# Altium PCB PCB_Project_Dangrangto.PcbDoc (part 1 of 2)
Units mm, origin at the board's own origin, x right, y up, seen from the top; angles counter-clockwise.
Board outline 121.2 x 86.2 mm, 2 copper layers (Top Layer, Bottom Layer); 163 components, 138 nets, 586 pads, 159 vias.
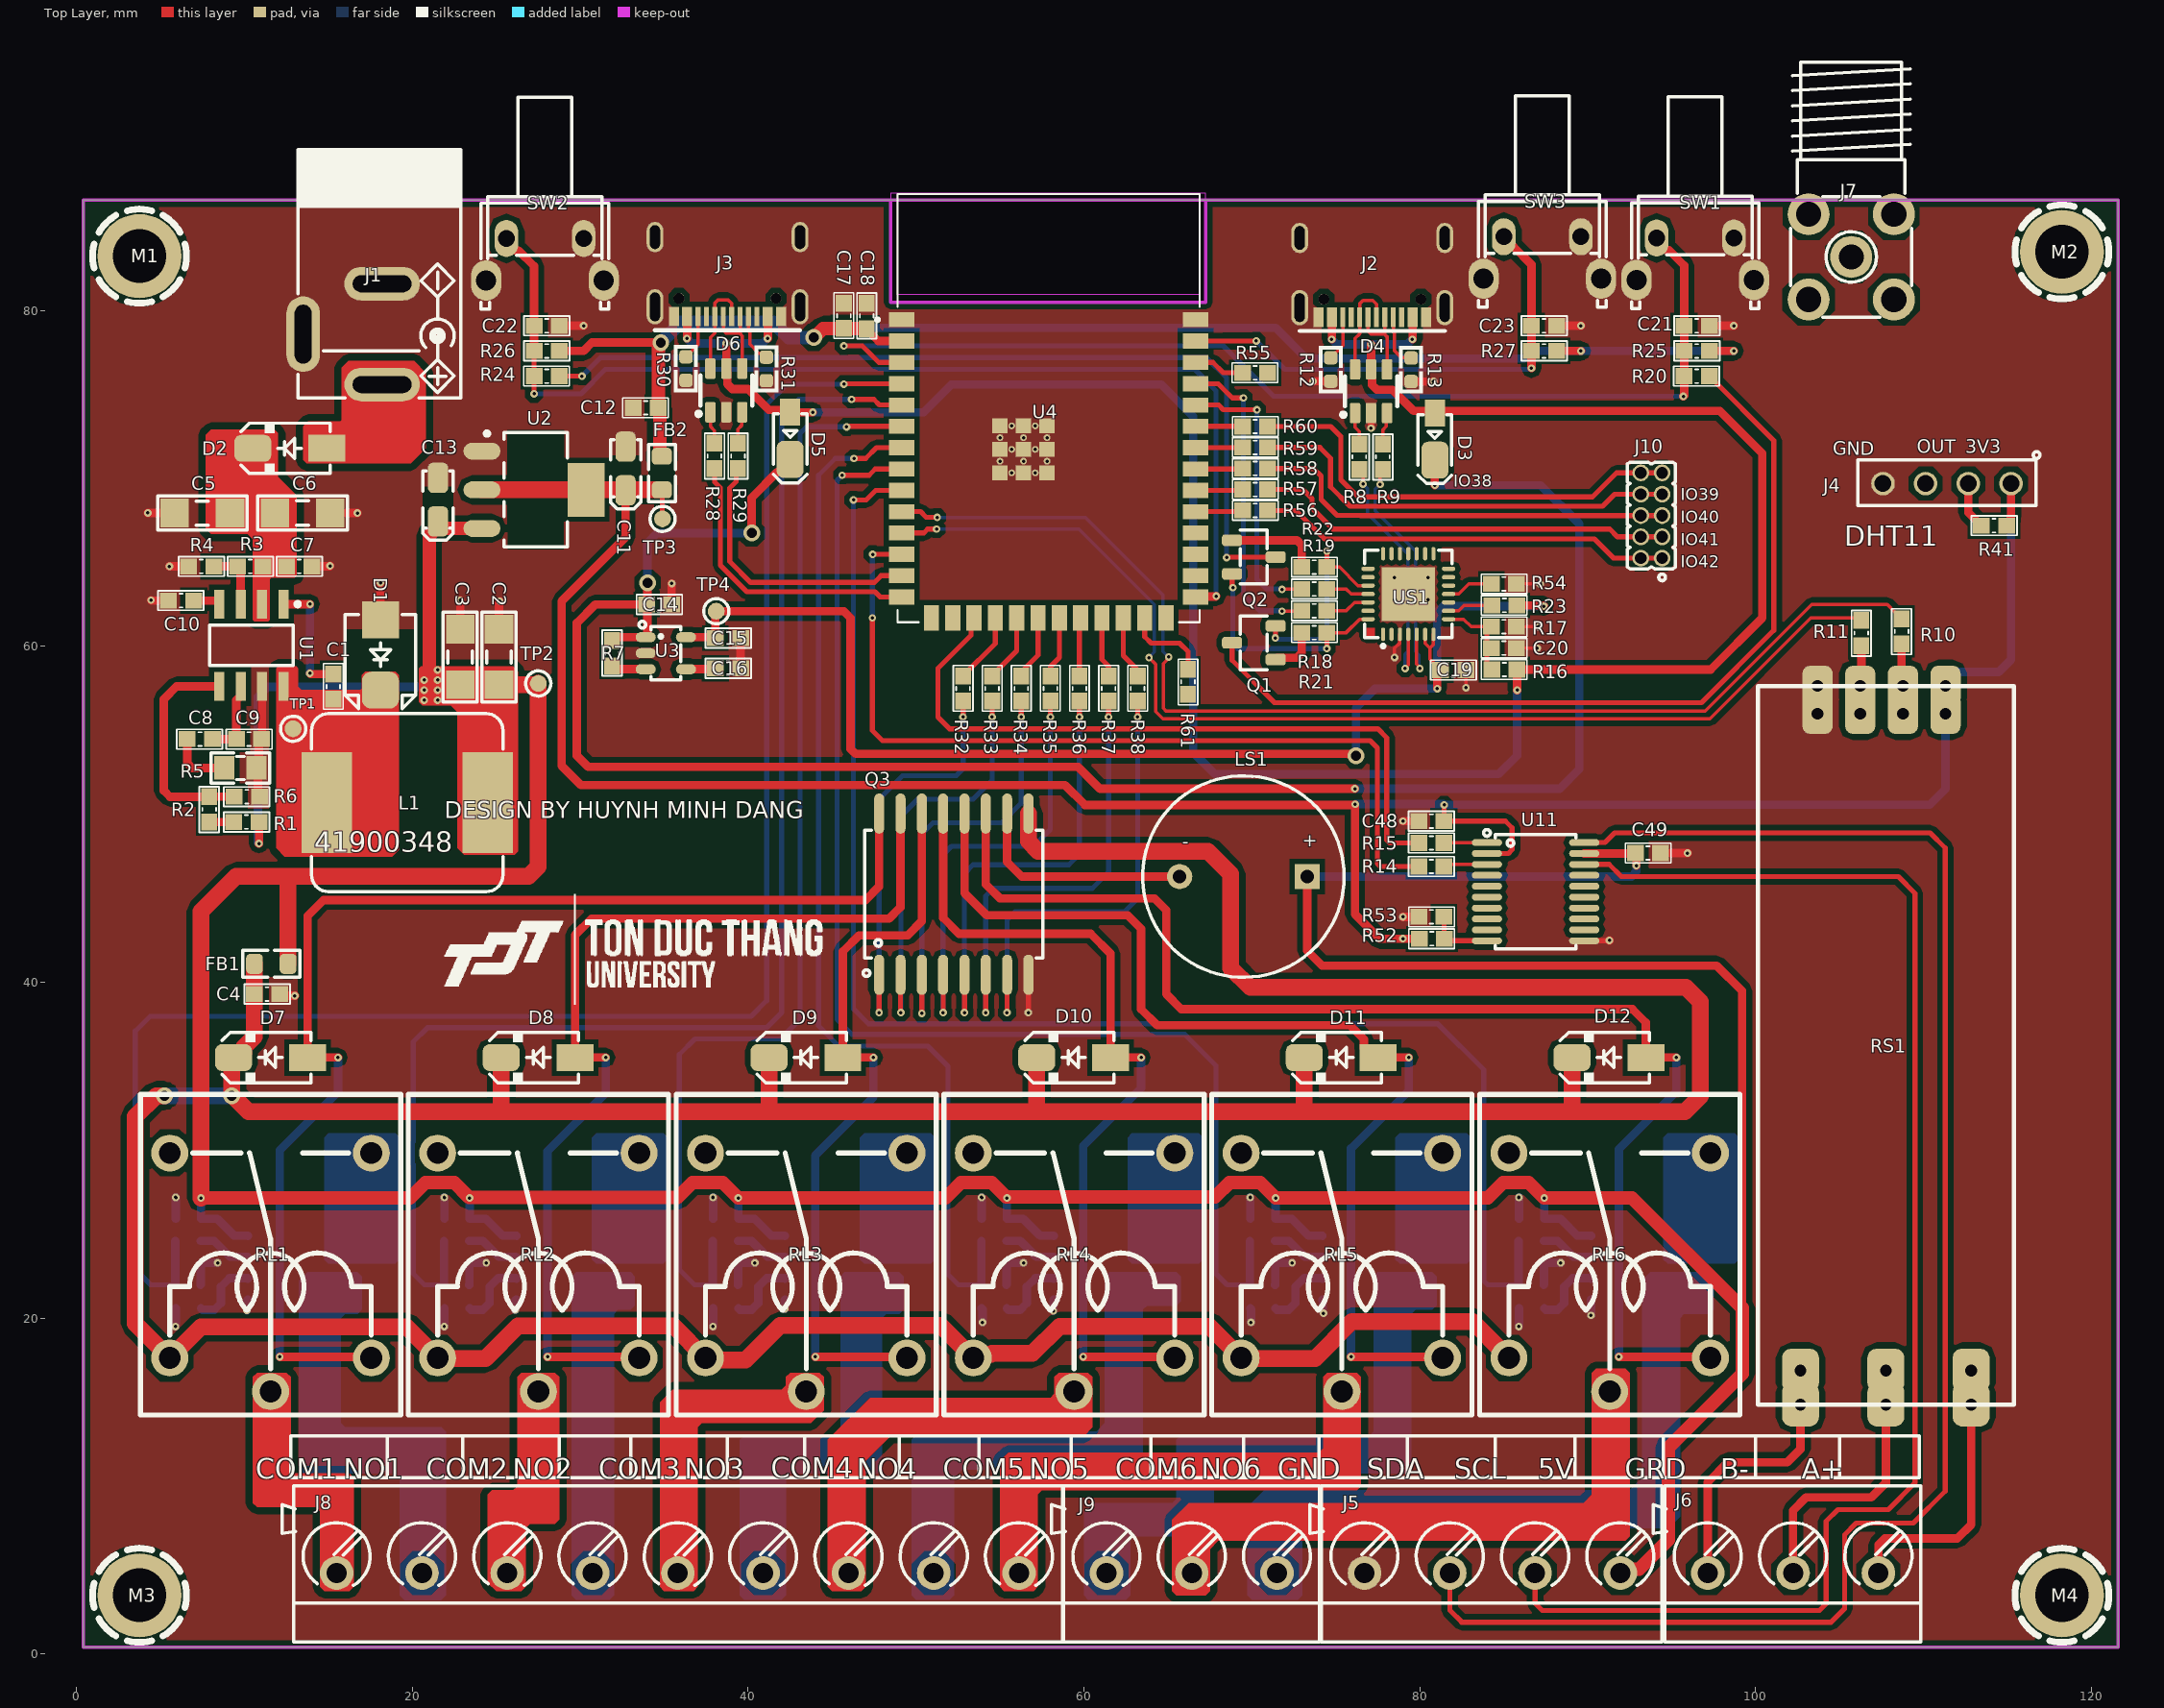
[diagram p0: Top Layer view]
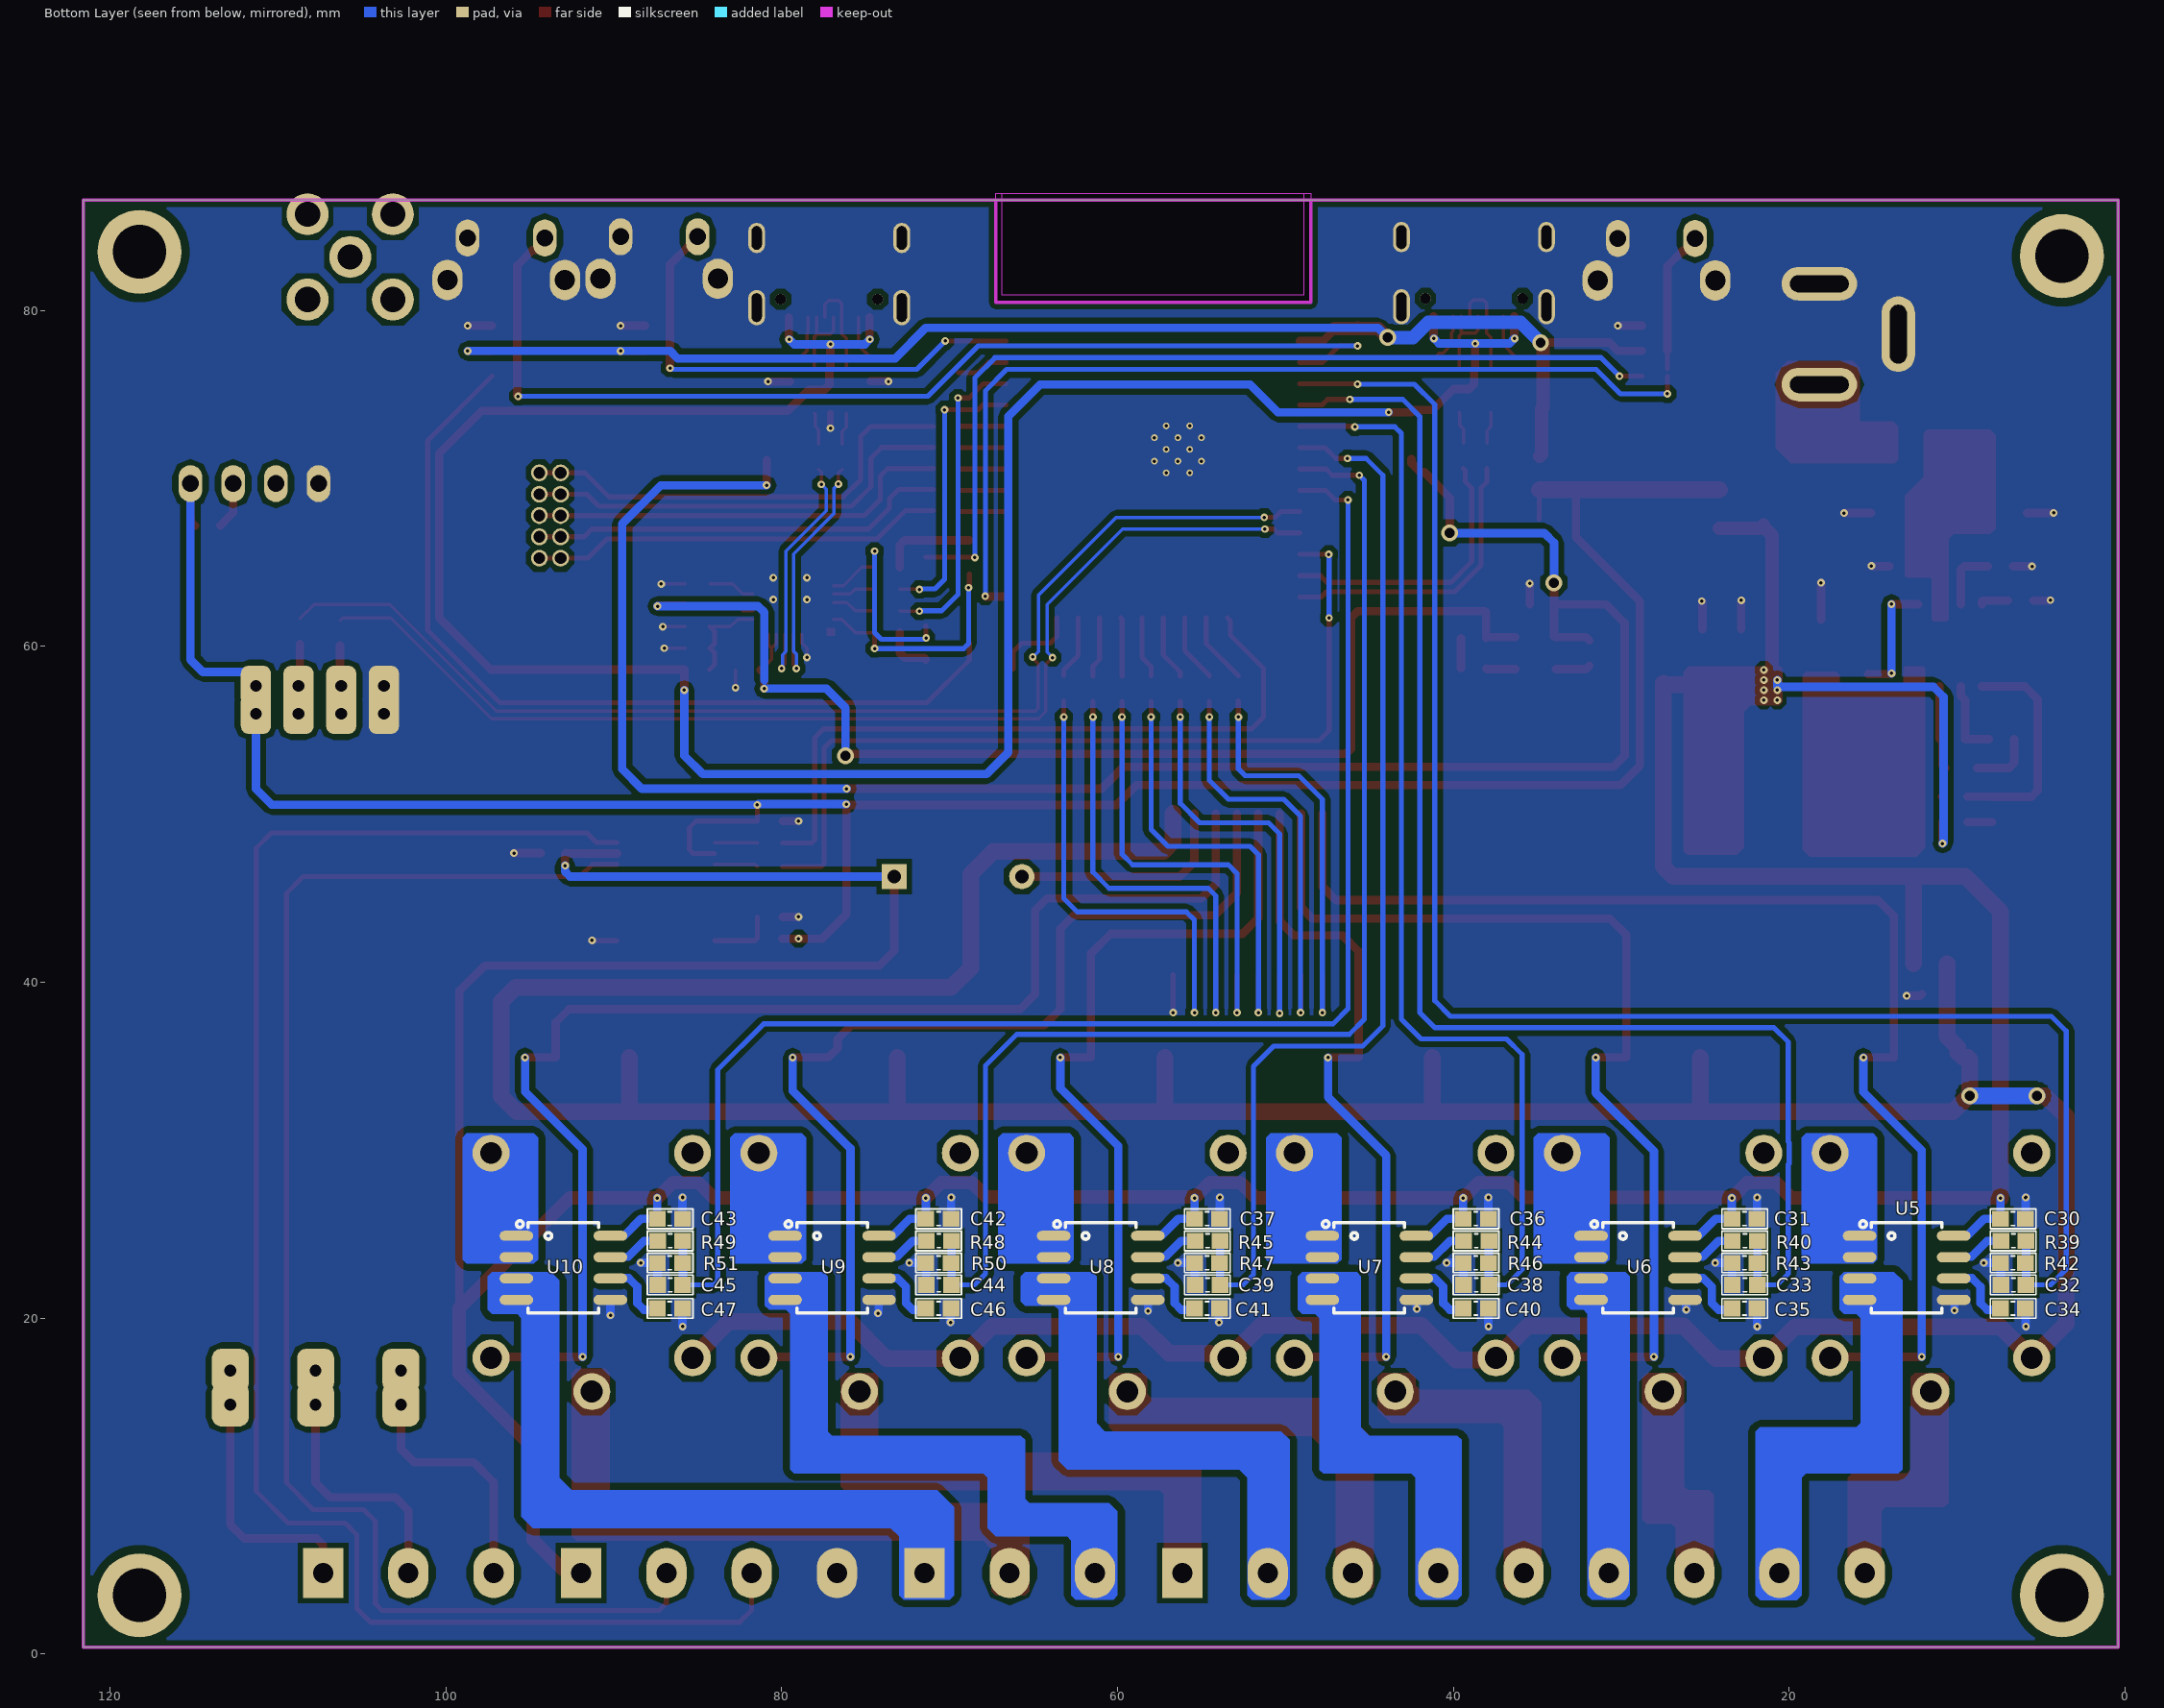
[diagram p1: Bottom Layer view, seen from below]

## Layer stack, top to bottom
Top Solder: solder mask 0.0102, Solder Resist, Dk 3.5
Top Layer: signal copper 0.0356
Dielectric 1: dielectric 0.32, FR-4, Dk 4.8
Bottom Layer: signal copper 0.0356
Bottom Solder: solder mask 0.0102, Solder Resist, Dk 3.5

## Board outline
0.4,0.4 0.4,86.6 121.6,86.6 121.6,0.4
cut-out: 48.5,87 48.5,80.5 67.25,80.5 67.25,87

## Design rules (kind name [scope] priority, off if disabled: settings)
Clearance [All] p1: gap=0.254 ignorepadtopadclearanceinfootprint=FALSE except(0: Arc-Hole Track-Hole SMDPad-Hole THPad-Hole Via-Hole Fill-Hole Poly-Hole Region-Hole Text-Hole; 0.3: Arc-Fill Arc-Poly Arc-Region Track-Fill Track-Poly Track-Region SMDPad-Fill SMDPad-Poly SMDPad-Region THPad-Fill THPad-Poly THPad-Region Via-Fill Via-Poly Via-Region; 0.4: Fill-Fill Fill-Poly Fill-Region Poly-Poly Poly-Region Region-Region)
PolygonConnect [All] p1: connectstyle=Direct reliefconductorwidth=0.254 reliefentries=4 polygonreliefangle="90 Angle" airgapwidth=0.254
RoutingVias [All] p1: holewidth=0.2 width=0.45 viastyle="Through Hole" minholewidth=0.2 minwidth=0.45 maxholewidth=0.6 maxwidth=1
SolderMaskExpansion [All] p1: expansion=0.102 istentingtop=FALSE
Width [All] p1: maxlimit=2.5 minlimit=0.2 preferedwidth=0.5
30 further rules are at their usual default settings.

## Classes and differential pairs
component class SENSOR: C30 C31 C32 C33 C34 C35 C36 C37 C38 C39 C40 C41 C42 C43 C44 C45 C46 C47 J4 R39 R40 R41 R42 R43 R44 R45 R46 R47 R48 R49 R50 R51 U5 U6 U7 U8 U9 U10
component class Protocol: C48 C49 J5 J6 J7 M1 M2 M3 M4 R52 R53 RS1 U11
component class Power: C1 C2 C3 C4 C5 C6 C7 C8 C9 C10 C11 C12 C13 C14 C15 C16 D1 D2 FB1 FB2 J1 L1 R1 R2 R3 R4 R5 R6 R7 TP1 TP2 TP3 TP4 U1 U2 U3
component class OUTPUT_RELAY: D7 D8 D9 D10 D11 D12 J8 J9 LS1 Q3 R32 R33 R34 R35 R36 R37 R38 RL1 RL2 RL3 RL4 RL5 RL6
component class MCU_ESP32_S3: C17 C18 C19 C20 C21 C22 C23 D3 D4 D5 D6 J2 J3 J10 Q1 Q2 R8 R9 R10 R11 R12 R13 R14 R15 R16 R17 R18 R19 R20 R21 R22 R23 R24 R25 R26 R27 R28 R29 R30 R31 R54 R55 R56 R57 R58 R59 R60 R61 SW1 SW2 SW3 U4 US1

## Components (designator, comment, footprint, x,y, rotation, side; value= is the part's Value field where it differs from the comment)
C1 "100nF_0603_1%" "tu 0603" 15.294,57.609 r90 top
C2 "47uF_1206_1%" "tu 1206" 25.165,59.376 r90 top
C3 "47uF_1206_1%" "tu 1206" 22.852,59.376 r90 top
C4 "100nF_0603_1%" "tu 0603" 11.345,39.303 r0 top
C5 "4.7uF_1206_1%" "tu 1206" 7.493,67.945 r180 top
C6 "4.7uF_1206_1%" "tu 1206" 13.462,67.945 r0 top
C7 "0.01uF_0603_1%" "tu 0603" 13.265,64.77 r0 top
C8 "1000pF_0603_1%" "tu 0603" 7.347,54.483 r180 top
C9 "47pF_0603_1%" "tu 0603" 10.268,54.483 r0 top
C10 "0.01uF_0603_1%" "tu 0603" 6.223,62.738 r180 top
C11 "10uF/6.3V" C_TN_3216 32.7,70.6 r90 top value=10uF
C12 "100nF_0603_1%" "tu 0603" 33.895,74.215 r180 top
C13 "10uF/10V" C_TN_3216 21.531,68.742 r90 top value=10uF
C14 "1uF_0603_1%" "tu 0603" 34.7,62.5 r0 top
C15 "1uF_0603_1%" "tu 0603" 38.8,60.5 r0 top
C16 "22nF_0603_1%" "tu 0603" 38.8,58.7 r0 top
C17 "100nF_0603_1%" "tu 0603" 45.7,79.7 r90 top
C18 "22uF_0603_1%" "tu 0603" 47.063,79.684 r90 top
C19 "10uF_0603_1%" "tu 0603" 82,58.6 r0 top
C20 "1uF_0603_1%" "tu 0603" 85.019,59.901 r0 top
C21 "100nF_0603_1%" "tu 0603" 96.5,79.1 r0 top
C22 "100nF_0603_1%" "tu 0603" 28,79.1 r0 top
C23 "100nF_0603_1%" "tu 0603" 87.4,79.1 r0 top
C30 "100nF_0603_1%" "tu 0603" 6.662,25.921 r180 bottom
C31 "100nF_0603_1%" "tu 0603" 22.662,25.921 r180 bottom
C32 "100nF_0603_1%" "tu 0603" 6.637,21.984 r0 bottom
C33 "100nF_0603_1%" "tu 0603" 22.637,21.984 r0 bottom
C34 "1nF_0603_1%" "tu 0603" 6.662,20.587 r180 bottom
C35 "1nF_0603_1%" "tu 0603" 22.662,20.587 r180 bottom
C36 "100nF_0603_1%" "tu 0603" 38.662,25.921 r180 bottom
C37 "100nF_0603_1%" "tu 0603" 54.662,25.921 r180 bottom
C38 "100nF_0603_1%" "tu 0603" 38.637,21.984 r0 bottom
C39 "100nF_0603_1%" "tu 0603" 54.637,21.984 r0 bottom
C40 "1nF_0603_1%" "tu 0603" 38.662,20.587 r180 bottom
C41 "1nF_0603_1%" "tu 0603" 54.662,20.587 r180 bottom
C42 "100nF_0603_1%" "tu 0603" 70.662,25.921 r180 bottom
C43 "100nF_0603_1%" "tu 0603" 86.662,25.921 r180 bottom
C44 "100nF_0603_1%" "tu 0603" 70.637,21.984 r0 bottom
C45 "100nF_0603_1%" "tu 0603" 86.637,21.984 r0 bottom
C46 "1nF_0603_1%" "tu 0603" 70.662,20.587 r180 bottom
C47 "1nF_0603_1%" "tu 0603" 86.662,20.587 r180 bottom
C48 "100nF_0603_1%" "tu 0603" 80.7,49.6 r180 top
C49 "100nF_0603_1%" "tu 0603" 93.6,47.7 r0 top
D1 "SS34_SMA" D_SMB 18.1,59.5 r270 top value=SS34
D2 "SS54_SMA" D_SMA 12.7,71.8 r180 top value=1N5824
D3 "1N5819_DO213" D_SOD123W 80.9,72.3 r270 top value=1N5819
D4 "TPUSBLC6-2SC6" SOT-23-6_L2.9-W1.6-P0.95-LS2.8-BR 77.1,75.2 r270 top
D5 "1N5819_DO213" D_SOD123W 42.5,72.35 r270 top value=1N5819
D6 "TPUSBLC6-2SC6" SOT-23-6_L2.9-W1.6-P0.95-LS2.8-BR 38.7,75.25 r270 top
D7 "1N4007" D_SMA 11.557,35.523 r180 top
D8 "1N4007" D_SMA 27.499,35.523 r180 top
D9 "1N4007" D_SMA 43.441,35.523 r180 top
D10 "1N4007" D_SMA 59.383,35.523 r180 top
D11 "1N4007" D_SMA 75.326,35.523 r180 top
D12 "1N4007" D_SMA 91.268,35.523 r180 top
FB1 "FB805" L0805 11.6,41.1 r180 top
FB2 "FB805" L0805 34.861,70.329 r90 top
J1 "DC_POWER_JACK" JAC_PWR2 18.2,75.6 r0 top
J2 "TYPE-C 16PIN 2MD(073)" USB-C-SMD_TYPE-C16PIN 77.198,81.942 r0 top
J3 "TYPE-C 16PIN 2MD(073)" USB-C-SMD_TYPE-C16PIN 38.798,81.992 r0 top
J4 "HDRF4" HDR_F_1X4 111.4,69.7 r180 top
J5 "CONN_TB4" TBB_4 84.328,4.826 r180 top
J6 "CONN_TB3" TBB_3 102.235,4.826 r180 top
J7 "SMA" SMA_RA 105.7,83.2 r0 top
J8 "CONN_TB9" TBB_9 35.814,4.826 r180 top
J9 "CONN_TB3" TBB_3 66.421,4.826 r180 top
J10 "HDRMINI_2X5" HDRMINI_M_2X5 93.8,67.8 r90 top
L1 "6.8uH_CD104" L_10 19.7,50.7 r0 top value=6.8uH
LS1 "Buzzer" Buzzer 69.5,46.3 r180 top
M1 "DNP/MH" SCMH_M3FT 3.75,83.25 r0 top
M2 "DNP/MH" SCMH_M3FT 118.25,83.5 r0 top
M3 "DNP/MH" SCMH_M3FT 3.75,3.5 r0 top
M4 "DNP/MH" SCMH_M3FT 118.25,3.5 r0 top
Q1 "SS8050" SOT23_3 70.119,60.226 r180 top
Q2 "SS8050" SOT23_3 70.119,65.326 r0 top
Q3 "ULN2003_SOP16" SO_16_W 52.25,45.25 r90 top value=ULN2003
R1 "0R_0603_1%" "tro smd 0603" 10.117,49.547 r0 top
R2 "6K8_0603_1%" "tro smd 0603" 7.9,50.3 r270 top
R3 "10K_0603_1%" "tro smd 0603" 10.344,64.77 r0 top
R4 "1K_0603_1%" "tro smd 0603" 7.423,64.77 r0 top
R5 "29.4K_0805_1%" "tro smd 0805" 9.76,52.705 r180 top
R6 "1K3_0603_1%" "tro smd 0603" 10.141,51.054 r180 top
R7 "10K_0603_1%" "tro smd 0603" 31.9,59.6 r90 top
R8 "0R_0603_1%" "tro smd 0603" 76.4,71.3 r270 top
R9 "0R_0603_1%" "tro smd 0603" 77.8,71.3 r270 top
R10 "0R_0603_1%" "tro smd 0603" 108.7,60.9 r270 top
R11 "0R_0603_1%" "tro smd 0603" 106.3,60.8 r270 top
R12 "5K1_0603_1%" R0603 74.7,76.5 r270 top value=5.1K
R13 "5K1_0603_1%" R0603 79.488,76.481 r270 top value=5.1K
R14 "0R_0603_1%" "tro smd 0603" 80.7,46.9 r180 top
R15 "0R_0603_1%" "tro smd 0603" 80.7,48.3 r180 top
R16 "22.1K_0603_1%" "tro smd 0603" 85.045,58.626 r180 top
R17 "47.5K_0603_1%" "tro smd 0603" 85.019,61.176 r0 top
R18 "0R_0603_1%" "tro smd 0603" 73.719,62.126 r0 top
R19 "0R_0603_1%" "tro smd 0603" 73.719,63.426 r0 top
R20 "0R_0603_1%" "tro smd 0603" 96.5,76.1 r180 top
R21 "10K_0603_1%" "tro smd 0603" 73.719,60.826 r0 top
R22 "10K_0603_1%" "tro smd 0603" 73.719,64.726 r0 top
R23 "1K_0603_1%" "tro smd 0603" 85.045,62.451 r180 top
R24 "0R_0603_1%" "tro smd 0603" 28,76.1 r180 top
R25 "1K_0603_1%" "tro smd 0603" 96.5,77.6 r0 top
R26 "1K_0603_1%" "tro smd 0603" 28,77.6 r0 top
R27 "1K_0603_1%" "tro smd 0603" 87.4,77.6 r0 top
R28 "0R_0603_1%" "tro smd 0603" 38,71.35 r270 top
R29 "0R_0603_1%" "tro smd 0603" 39.4,71.35 r270 top
R30 "5K1_0603_1%" R0603 36.3,76.55 r270 top value=5.1K
R31 "5K1_0603_1%" R0603 41.088,76.531 r270 top value=5.1K
R32 "0R_0603_1%" "tro smd 0603" 52.8,57.5 r90 top
R33 "0R_0603_1%" "tro smd 0603" 54.533,57.496 r90 top
R34 "0R_0603_1%" "tro smd 0603" 56.267,57.496 r90 top
R35 "0R_0603_1%" "tro smd 0603" 58,57.496 r90 top
R36 "0R_0603_1%" "tro smd 0603" 59.733,57.496 r90 top
R37 "0R_0603_1%" "tro smd 0603" 61.467,57.496 r90 top
R38 "0R_0603_1%" "tro smd 0603" 63.2,57.5 r90 top
R39 "10K_0603_1%" "tro smd 0603" 6.637,24.609 r0 bottom
R40 "10K_0603_1%" "tro smd 0603" 22.637,24.609 r0 bottom
R41 "1K_0603_1%" "tro smd 0603" 114.2,67.2 r0 top
R42 "10K_0603_1%" "tro smd 0603" 6.662,23.296 r180 bottom
R43 "10K_0603_1%" "tro smd 0603" 22.662,23.296 r180 bottom
R44 "10K_0603_1%" "tro smd 0603" 38.637,24.609 r0 bottom
R45 "10K_0603_1%" "tro smd 0603" 54.637,24.609 r0 bottom
R46 "10K_0603_1%" "tro smd 0603" 38.662,23.296 r180 bottom
R47 "10K_0603_1%" "tro smd 0603" 54.662,23.296 r180 bottom
R48 "10K_0603_1%" "tro smd 0603" 70.637,24.609 r0 bottom
R49 "10K_0603_1%" "tro smd 0603" 86.637,24.609 r0 bottom
R50 "10K_0603_1%" "tro smd 0603" 70.662,23.296 r180 bottom
R51 "10K_0603_1%" "tro smd 0603" 86.662,23.296 r180 bottom
R52 "1K_0603_1%" "tro smd 0603" 80.725,42.6 r180 top
R53 "1K_0603_1%" "tro smd 0603" 80.7,43.9 r0 top
R54 "10K_0603_1%" "tro smd 0603" 85.019,63.726 r0 top
R55 "0R_0603_1%" "tro smd 0603" 70.2,76.3 r180 top
R56 "0R_0603_1%" "tro smd 0603" 70.2,68.1 r0 top